# Altium PCB ZJUD_MainBoard-V2.1.PcbDoc
Units mm, origin at the board's own origin, x right, y up, seen from the top; angles counter-clockwise.
Board outline 100 x 105 mm, 2 copper layers (Top Layer, Bottom Layer), stack 1.671 mm thick; 53 components, 81 nets, 348 pads, 217 vias.
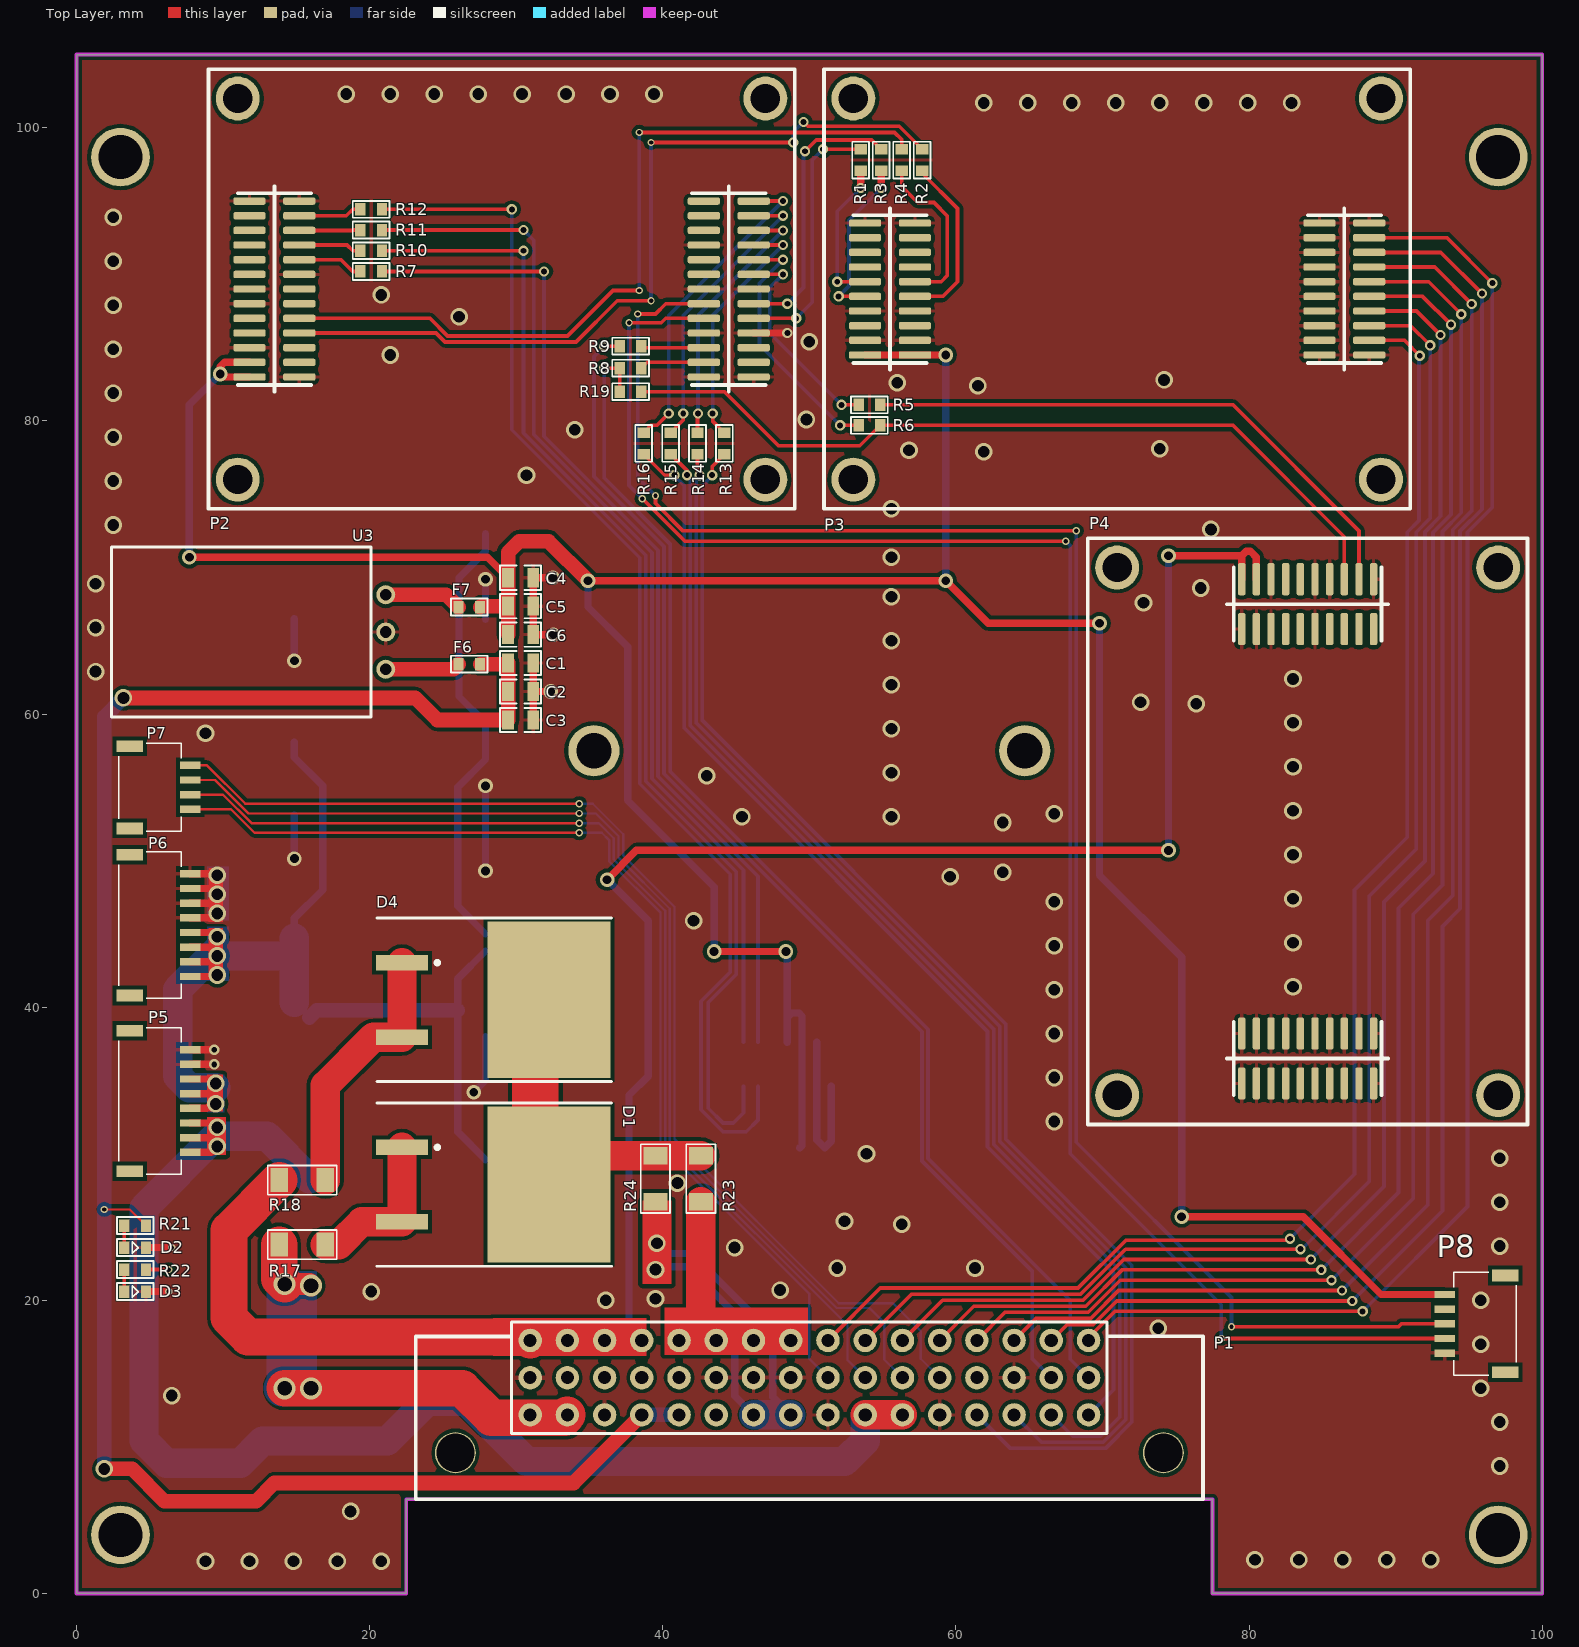
[diagram p0: Top Layer view]
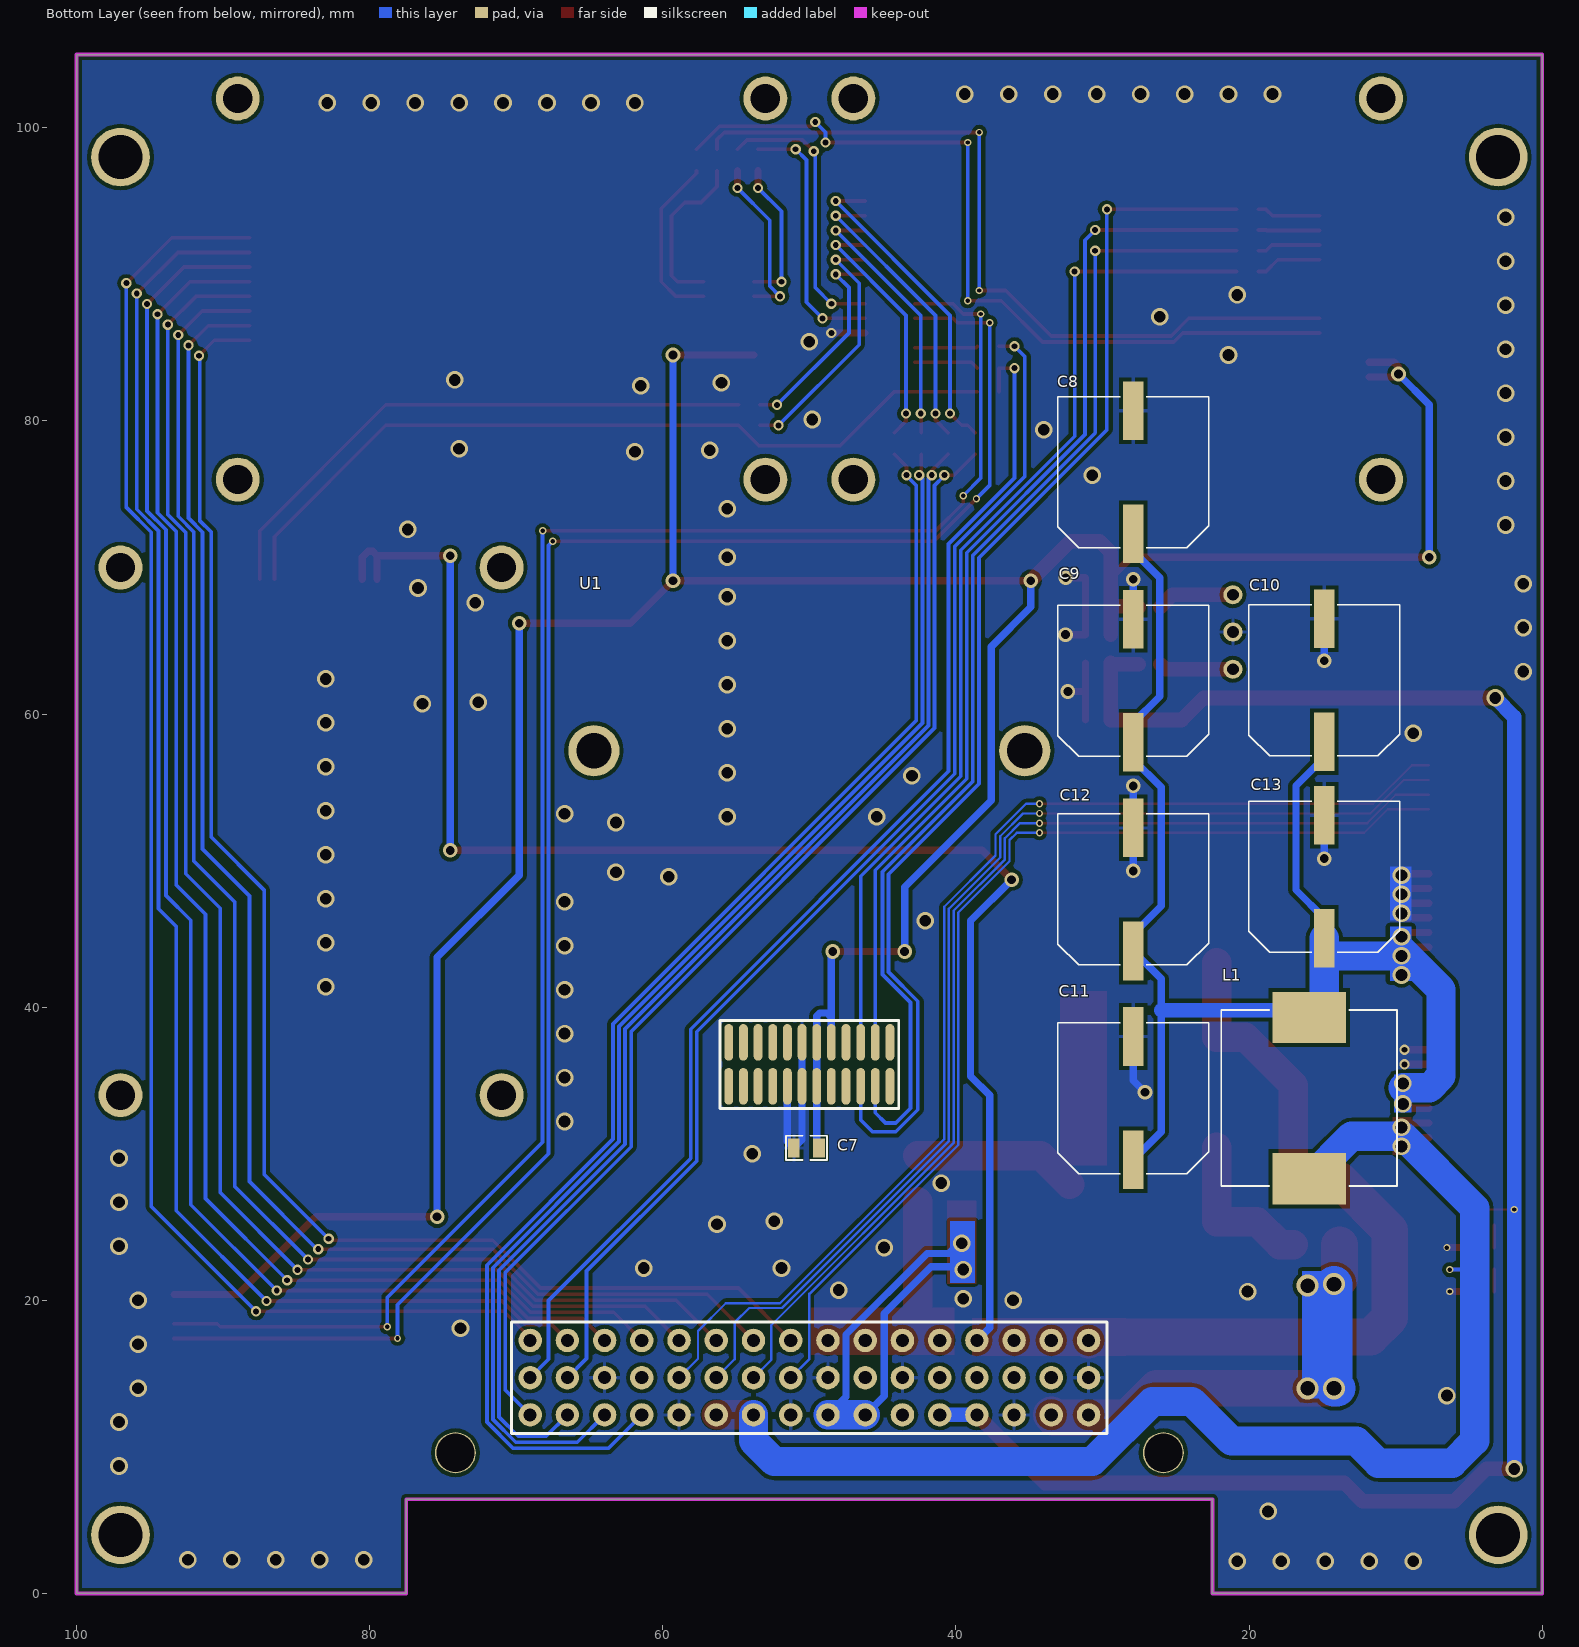
[diagram p1: Bottom Layer view, seen from below]
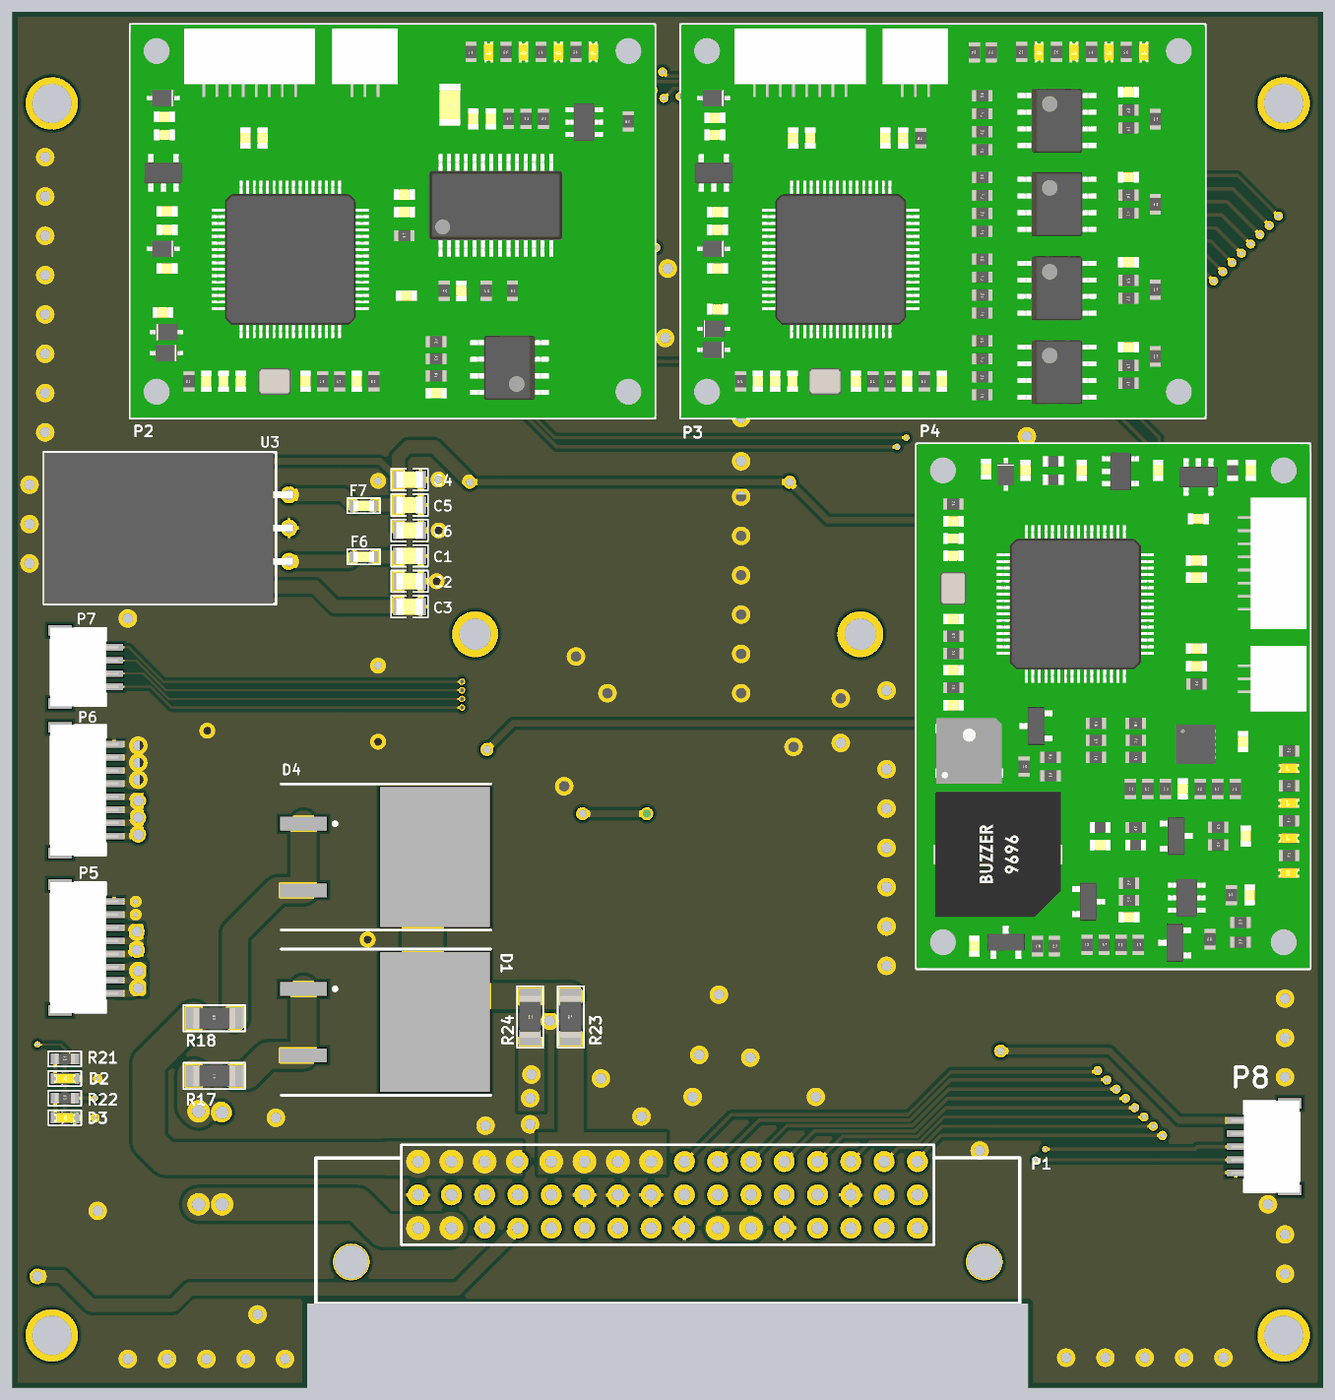
[diagram p2: 3D render of the assembled board from above, using the file's embedded part models]
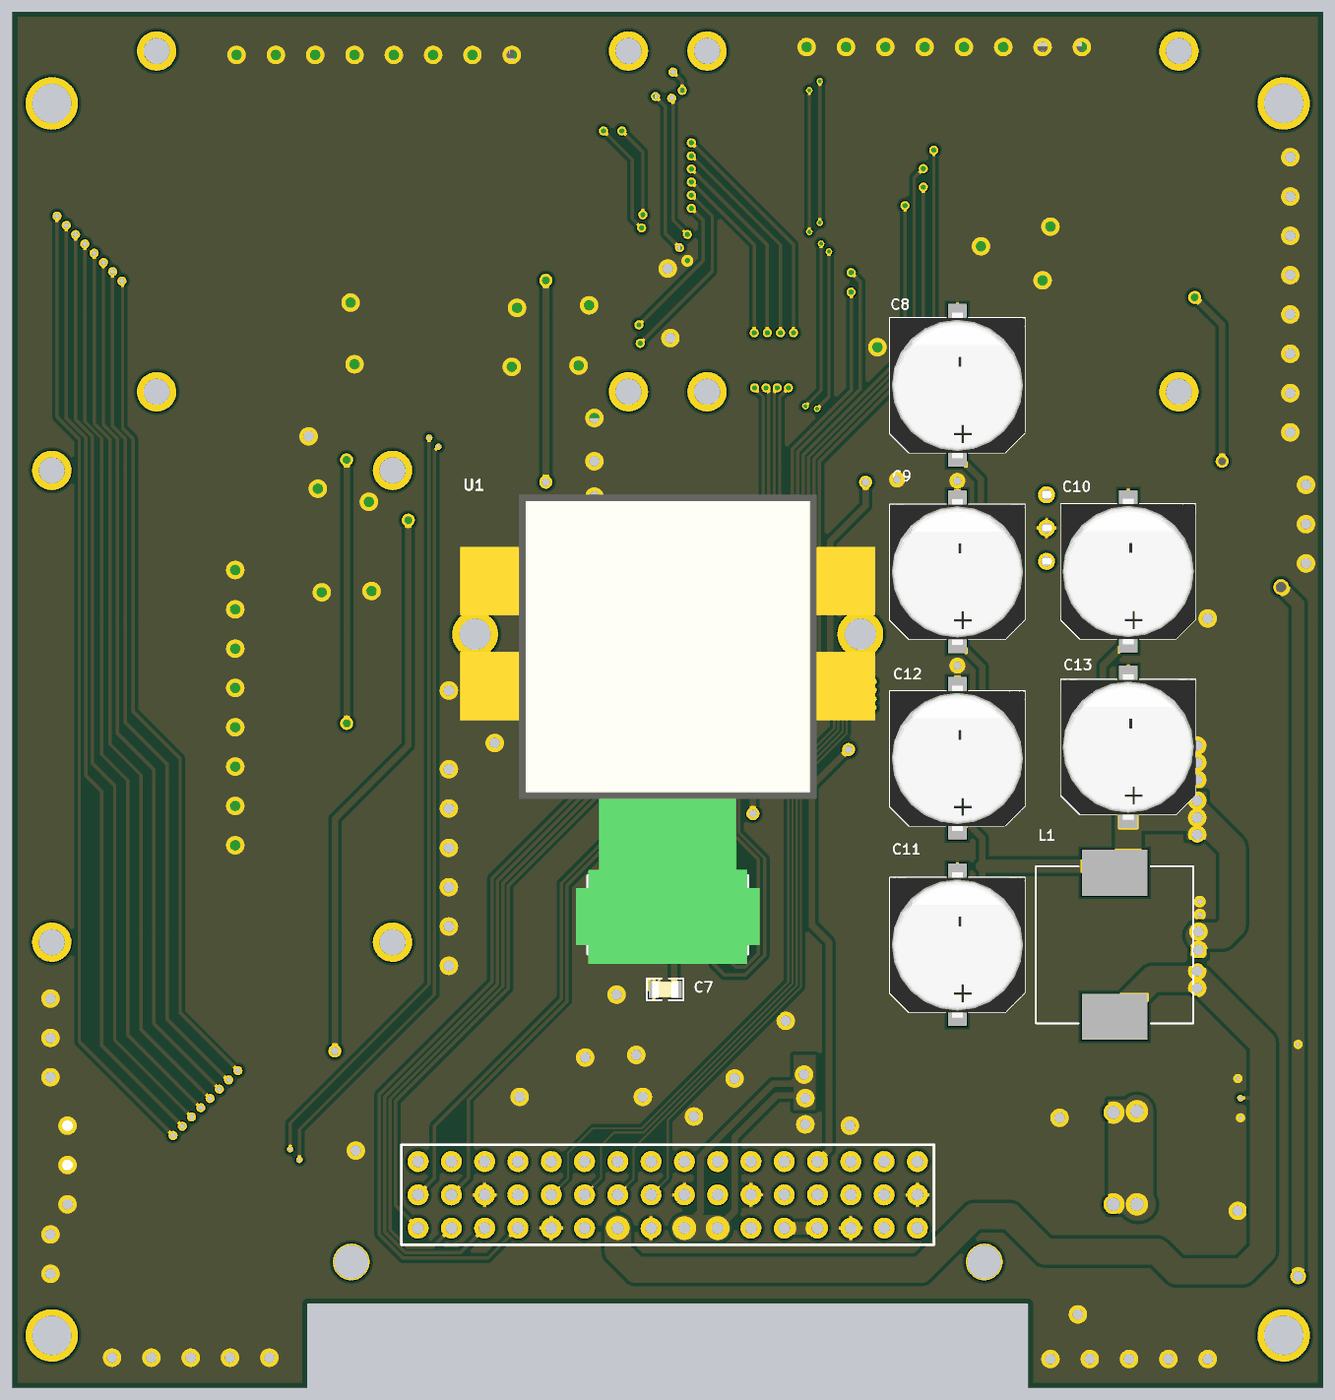
[diagram p3: 3D render of the assembled board from below, using the file's embedded part models]

## Layer stack, top to bottom
Top Solder: solder mask 0.0102, Solder Resist, Dk 3.5
Top Layer: signal copper 0.0356
Dielectric1: core 1.6, FR-4, Dk 4.8
Bottom Layer: signal copper 0.0356
Bottom Solder: solder mask 0.0102, Solder Resist, Dk 3.5

## Board outline
0,0 0,105 100,105 100,0 77.5,0 77.5,6.425 22.5,6.425 22.5,0

## Design rules (kind name [scope] priority, off if disabled: settings)
Clearance Clearance_1 [INPOLYGON] p1: gap=0.254
Clearance [All] p2: gap=0.16
HoleSize [All] p1: absolutevalues=TRUE maxlimit=6 minlimit=0.025 maxpercent=80.000 minpercent=20.000
MinimumSolderMaskSliver [All] p1: minsoldermaskwidth=0.01
PolygonConnect PolygonConnect_1 [ISVIA] p1: connectstyle=Direct reliefconductorwidth=0.254 reliefentries=4 polygonreliefangle="90 Angle" airgapwidth=0.254
PolygonConnect [All] p2: connectstyle=Relief reliefconductorwidth=0.254 reliefentries=4 polygonreliefangle="90 Angle" airgapwidth=0.254
RoutingVias [All] p1: holewidth=0.3 width=0.5 viastyle="Through Hole" minholewidth=0.3 minwidth=0.5 maxholewidth=5 maxwidth=6
SilkToSilkClearance [All] p1: silktosilkclearance=0.01
SilkToSolderMaskClearance [IsPad] p1: minsilkscreentomaskgap=0.01 clearancetoexposedcopper=TRUE
SolderMaskExpansion [All] p1: expansion=0.102
UnpouredPolygon [All] p1: allowunpoured=FALSE
Width [All] p1: maxlimit=3 minlimit=0.16 preferedwidth=0.254
25 further rules are at their usual default settings.

## Components (designator, comment, footprint, x,y, rotation, side; value= is the part's Value field where it differs from the comment)
C1 "0805" 0805C 30.3,63.48 r180 top
C2 "0805" 0805C 30.3,61.54 r180 top
C3 "0805" 0805C 30.3,59.6 r180 top
C4 "0805" 0805C 30.3,69.3 r180 top
C5 "0805" 0805C 30.3,67.36 r180 top
C6 "0805" 0805C 30.3,65.42 r180 top
C7 "0805" 0805C 50.2,30.4 r180 bottom
C8 "Cap_Sanyo_330" CAP_SANYO_330 27.9,76.5 r90 bottom
C9 "Cap_Sanyo_330" CAP_SANYO_330 27.9,62.267 r90 bottom
C10 "Cap_Sanyo_330" CAP_SANYO_330 14.864,62.3 r90 bottom
C11 "Cap_Sanyo_330" CAP_SANYO_330 27.9,33.8 r90 bottom
C12 "Cap_Sanyo_330" CAP_SANYO_330 27.9,48.033 r90 bottom
C13 "Cap_Sanyo_330" CAP_SANYO_330 14.864,48.9 r90 bottom
D1 "30CTQ80-S" D2PAK 28.3,27.9 r270 top
D2 "LED0603" 0603Led 4,23.6 r180 top
D3 "LED0603" 0603Led 4,20.6 r180 top
D4 "30CTQ80-S" D2PAK 28.3,40.5 r270 top
F6 "Fuse_0603" 0603Fuse 26.8,63.4 r0 top
F7 "Fuse_0603" 0603Fuse 26.8,67.3 r0 top
L1 "INDUCTOR_PW" INDUCTOR_PW_1207 15.9,33.8 r90 bottom
P1 "DIN41612_wanzhen_348" DIN41612_wanzhen_348 50,14.725 r0 top locked
P2 "ZJUD_Core_Module" ZJUD_CORE_MODULE 49,74 r90 top locked
P3 "ZJUD_Motor_Module" ZJUD_MOTOR_MODULE 91,74 r90 top locked
P4 "ZJUD_Voltage_Module" ZJUD_VOLTAGE_MODULE 69,32 r0 top locked
P5 "SH_1.0MM_8P" SH_1.0MM_8P 5,33.6 r90 top
P6 "SH_1.0MM_8P" SH_1.0MM_8P 5,45.6 r90 top
P7 "SH_1.0MM_4P" SH_1.0MM_4P 5,55 r90 top
P8 "SH_1.0MM_5P" SH_1.0MM_5P 96.1,18.4 r270 top
R1 "Rb" 0603R 57.7,97.8 r270 top
R2 "Rb" 0603R 53.5,97.8 r270 top
R3 "Rb" 0603R 56.3,97.8 r270 top
R4 "Rb" 0603R 54.9,97.8 r270 top
R5 "Rb" 0603R 54.1,81.1 r0 top
R6 "Rb" 0603R 54.1,79.7 r0 top
R7 "Rb" 0603R 20.1,90.2 r0 top
R8 "Rb" 0603R 37.8,83.6 r180 top
R9 "Rb" 0603R 37.8,85.1 r180 top
R10 "Rb" 0603R 20.1,91.612 r0 top
R11 "Rb" 0603R 20.1,93.024 r0 top
R12 "Rb" 0603R 20.1,94.436 r0 top
R13 "Rb" 0603R 44.2,78.464 r270 top
R14 "Rb" 0603R 42.367,78.464 r270 top
R15 "Rb" 0603R 40.533,78.464 r270 top
R16 "Rb" 0603R 38.7,78.464 r270 top
R17 "Rd" 1206R 15.4,23.8 r180 top
R18 "Rd" 1206R 15.4,28.2 r0 top
R19 "Rb" 0603R 37.8,82 r180 top
R21 "Rb" 0603R 4,25.1 r0 top
R22 "Rb" 0603R 4,22.1 r0 top
R23 "Rd" 1206R 42.6,28.3 r90 top
R24 "Rd" 1206R 39.5,28.3 r270 top
U1 "ADIS16355" ADIS16355 50,34.1 r180 bottom
U3 "K7805-1500" K78X6-1500(L) 21.1,65.6 r0 top

## Footprints (in the part's own frame and the unit in brackets; to place one, negate y for a bottom-side part, rotate by r counter-clockwise, add the part's x,y. Pads: shape width x height; smd on the part's side, far side on the other; paste and mask are expansions set on the pad)
0603Fuse [mm] "0603贴片保险丝"
  rect 0.7x0.85 smd: 1(-0.736,0) 2(0.736,0)
  silkscreen extent -1.25,-0.58 1.25,0.58, body extent -0.8,-0.4 0.8,0.4, height 0.73
0603Led [mm] "0603贴片LED"
  rect 0.7x0.85 smd: 1(-0.736,0) 2(0.736,0)
  silkscreen extent -1.25,-0.57 1.25,0.58, body extent -0.81,-0.4 0.81,0.4, height 0.62
0603R [mm] "0603贴片电阻"
  rect 0.7x0.85 smd: 1(-0.736,0) 2(0.736,0)
  silkscreen extent -1.25,-0.58 1.25,0.58, body extent -0.78,-0.43 0.78,0.43, height 0.48
0805C [mm] "0805贴片电容"
  rect 0.8x1.3 smd: 1(-0.856,0) 2(0.855,0)
  silkscreen extent -1.4,-0.82 1.4,0.82, body extent -1,-0.62 1,0.62, height 1.23
1206R [mm] "1206贴片电阻"
  rect 1.2x1.65 smd: 1(-1.575,0) 2(1.575,0)
  silkscreen extent -2.35,-1 2.35,1, body extent -1.6,-0.8 1.6,0.8, height 0.52
ADIS16355 [mm]
  round 3.5 hole 2.4: 0(-14.7,23.4) 0(14.7,23.4)
  oval 0.6x2.5 smd: 1(5.5,0.5) 2(5.5,3.5) 3(4.5,0.5) 4(4.5,3.5) 5(3.5,0.5) 6(3.5,3.5) 7(2.5,0.5) 8(2.5,3.5) 9(1.5,0.5) 10(1.5,3.5) 11(0.5,0.5) 12(0.5,3.5) 13(-0.5,0.5) 14(-0.5,3.5) 15(-1.5,0.5) 16(-1.5,3.5) 17(-2.5,0.5) 18(-2.5,3.5) 19(-3.5,0.5) 20(-3.5,3.5) 21(-4.5,0.5) 22(-4.5,3.5) 23(-5.5,0.5) 24(-5.5,3.5)
  silkscreen extent -6.1,-1 6.1,5, body extent -15.85,-1.74 15.85,34.05, height 23.27
CAP_SANYO_330 [mm] "贴片电解电容"
  rect 4x1.4 smd: 1(-4.2,0) 2(4.2,0)
  silkscreen extent -5.15,-5.15 5.15,5.15, body extent -5.56,-5.15 5.54,5.15, height 10.13
D2PAK [mil]
  rect 41.34x140 smd: 1(-100,-240) 3(100,-240)
  rect 420x330 smd: 2(0,155)
  silkscreen extent -219,-307 219,323
DIN41612_wanzhen_348 [mm] "DIN41612连接器弯针2*24"
  round 2.8 hole 2.6: 0(-24.15,-5.125) 0(24.15,-5.125)
  round 1.6 hole 0.9: 1(-19.05,2.54) 2(-16.51,2.54) 3(-13.97,2.54) 4(-11.43,2.54) 5(-8.89,2.54) 6(-6.35,2.54) 7(-3.81,2.54) 8(-1.27,2.54) 9(1.27,2.54) 10(3.81,2.54) 11(6.35,2.54) 12(8.89,2.54) 13(11.43,2.54) 14(13.97,2.54) 15(16.51,2.54) 16(19.05,2.54) 17(-19.05,0) 18(-16.51,0) 19(-13.97,0) 20(-11.43,0) 21(-8.89,0) 22(-6.35,0) 23(-3.81,0) 24(-1.27,0) 25(1.27,0) 26(3.81,0) 27(6.35,0) 28(8.89,0) 29(11.43,0) 30(13.97,0) 31(16.51,0) 32(19.05,0) 33(-19.05,-2.54) 34(-16.51,-2.54) 35(-13.97,-2.54) 36(-11.43,-2.54) 37(-8.89,-2.54) 38(-6.35,-2.54) 39(-3.81,-2.54) 40(-1.27,-2.54) 41(1.27,-2.54) 42(3.81,-2.54) 43(6.35,-2.54) 44(8.89,-2.54) 45(11.43,-2.54) 46(13.97,-2.54) 47(16.51,-2.54) 48(19.05,-2.54)
  silkscreen extent -26.85,-8.3 26.85,3.81, body extent -26.85,-15.22 26.85,2.8, height 9.42
INDUCTOR_PW_1207 [mm]
  rect 3.5x5 smd: 1(-5.5,0) 2(5.5,0)
  silkscreen extent -6,-6 6,6, body extent -6,-6 6,6, height 7.52
K78X6-1500(L) [mm]
  round 1.3 hole 0.8: 1(0,-2.54) 2(0,0) 3(0,2.54)
  silkscreen extent -18.7,-5.8 -1,5.8, body extent -18.7,-5.75 0.3,5.75, height 9.02
SH_1.0MM_4P [mm]
  rect 0.8x1.8 smd: 0(-2.8,1.375) 0(2.8,1.375)
  rect 0.5x1.4 smd: 1(-1.5,-2.75) 2(-0.5,-2.75) 3(0.5,-2.75) 4(1.5,-2.75)
  silkscreen extent -3,-2.15 3,2.12, body extent -3,-3.09 3,2.12, height 3.02
SH_1.0MM_5P [mm]
  rect 0.8x1.8 smd: 0(-3.3,1.375) 0(3.3,1.375)
  rect 0.5x1.4 smd: 1(-2,-2.75) 2(-1,-2.75) 3(0,-2.75) 4(1,-2.75) 5(2,-2.75)
  silkscreen extent -3.5,-2.15 3.5,2.12, body extent -3.5,-3.09 3.5,2.13, height 3.02
SH_1.0MM_8P [mm]
  rect 0.8x1.8 smd: 0(-4.8,1.375) 0(4.8,1.375)
  rect 0.5x1.4 smd: 1(-3.5,-2.75) 2(-2.5,-2.75) 3(-1.5,-2.75) 4(-0.5,-2.75) 5(0.5,-2.75) 6(1.5,-2.75) 7(2.5,-2.75) 8(3.5,-2.75)
  silkscreen extent -5,-2.15 5,2.12, body extent -5,-3.1 5,2.12, height 3.02
ZJUD_CORE_MODULE [mm]
  round 3 hole 2: 0(2,38) 0(2,2) 0(28,2) 0(28,38)
  rrect50% 0.5x2.2 smd: 1(9,37.2) 2(9,33.8) 3(10,37.2) 4(10,33.8) 5(11,37.2) 6(11,33.8) 7(12,37.2) 8(12,33.8) 9(13,37.2) 10(13,33.8) 11(14,37.2) 12(14,33.8) 13(15,37.2) 14(15,33.8) 15(16,37.2) 16(16,33.8) 17(17,37.2) 18(17,33.8) 19(18,37.2) 20(18,33.8) 21(19,37.2) 22(19,33.8) 23(20,37.2) 24(20,33.8) 25(21,37.2) 26(21,33.8) 31(9,6.2) 32(9,2.8) 33(10,6.2) 34(10,2.8) 35(11,6.2) 36(11,2.8) 37(12,6.2) 38(12,2.8) 39(13,6.2) 40(13,2.8) 41(14,6.2) 42(14,2.8) 43(15,6.2) 44(15,2.8) 45(16,6.2) 46(16,2.8) 47(17,6.2) 48(17,2.8) 49(18,6.2) 50(18,2.8) 51(19,6.2) 52(19,2.8) 53(20,6.2) 54(20,2.8) 55(21,6.2) 56(21,2.8)
  silkscreen extent 0,0 30,40, body extent 0,0 30,40, height 8.62
ZJUD_MOTOR_MODULE [mm]
  round 3 hole 2: 0(2,38) 0(2,2) 0(28,2) 0(28,38)
  rrect50% 0.5x2.2 smd: 1(10.5,37.2) 2(10.5,33.8) 3(11.5,37.2) 4(11.5,33.8) 5(12.5,37.2) 6(12.5,33.8) 7(13.5,37.2) 8(13.5,33.8) 9(14.5,37.2) 10(14.5,33.8) 11(15.5,37.2) 12(15.5,33.8) 13(16.5,37.2) 14(16.5,33.8) 15(17.5,37.2) 16(17.5,33.8) 17(18.5,37.2) 18(18.5,33.8) 19(19.5,37.2) 20(19.5,33.8) 21(10.5,6.2) 22(10.5,2.8) 23(11.5,6.2) 24(11.5,2.8) 25(12.5,6.2) 26(12.5,2.8) 27(13.5,6.2) 28(13.5,2.8) 29(14.5,6.2) 30(14.5,2.8) 31(15.5,6.2) 32(15.5,2.8) 33(16.5,6.2) 34(16.5,2.8) 35(17.5,6.2) 36(17.5,2.8) 37(18.5,6.2) 38(18.5,2.8) 39(19.5,6.2) 40(19.5,2.8)
  silkscreen extent 0,0 30,40, body extent 0,0 30,40, height 8.62
ZJUD_VOLTAGE_MODULE [mm]
  round 3 hole 2: 0(2,2) 0(2,38) 0(28,2) 0(28,38)
  rrect50% 0.5x2.2 smd: 1(10.5,37.2) 2(10.5,33.8) 3(11.5,37.2) 4(11.5,33.8) 5(12.5,37.2) 6(12.5,33.8) 7(13.5,37.2) 8(13.5,33.8) 9(14.5,37.2) 10(14.5,33.8) 11(15.5,37.2) 12(15.5,33.8) 13(16.5,37.2) 14(16.5,33.8) 15(17.5,37.2) 16(17.5,33.8) 17(18.5,37.2) 18(18.5,33.8) 19(19.5,37.2) 20(19.5,33.8) 21(10.5,6.2) 22(10.5,2.8) 23(11.5,6.2) 24(11.5,2.8) 25(12.5,6.2) 26(12.5,2.8) 27(13.5,6.2) 28(13.5,2.8) 29(14.5,6.2) 30(14.5,2.8) 31(15.5,6.2) 32(15.5,2.8) 33(16.5,6.2) 34(16.5,2.8) 35(17.5,6.2) 36(17.5,2.8) 37(18.5,6.2) 38(18.5,2.8) 39(19.5,6.2) 40(19.5,2.8)
  silkscreen extent 0,0 30,40, body extent 0,0 30,40, height 11.12

## Part data
C1 C2 C3 C4 C5 C6 C7: library part Cap0805
D1 D4: library part MBR1035CT
R1 R2 R3 R4 R5 R6 R7 R8 R9 R10 R11 R12 R13 R14 R15 R16 R19 R21 R22: library part Res0603
R17 R18 R23 R24: library part Res1206

## Free pads (board coordinates)
  round 4 hole 3: 0(3,4) 0(3,98) 0(97,4) 0(97,98)

## Via types
v1: diameter 1.2, hole 0.8, Top Layer to Bottom Layer, 121 vias
v2: diameter 0.7, hole 0.4, Top Layer to Bottom Layer, 51 vias
v3: diameter 1, hole 0.6, Top Layer to Bottom Layer, 21 vias
v4: diameter 0.5, hole 0.3, Top Layer to Bottom Layer, 20 vias
v5: diameter 1.5, hole 1, Top Layer to Bottom Layer, 4 vias

## Nets (pads, with @x,y where several pads share a name; then routed paths per layer and width w, separated by ;. In a path a pad name is that pad's centre, name@x,y a point inside that pad or via, vN(x,y) a via of type N, cw(c..) or ccw(c..) an arc to the next point about the centre after c; other vN are vias at no path point)
485_1_A: P1.9 P3.24 | length 102.2
  Top Layer w0.254: P1.9 54.841,20.836 68.336,20.836 71.6,24.1 82.7,24.1 v2(82.8,24.2) ; P3.24 90.6,85.5 v2(91.65,84.45)
  Bottom Layer w0.254: v2(82.8,24.2) 87.2,28.6 87.2,48 90.8,51.6 90.8,72.398 91.602,73.2 91.602,84.402 v2(91.65,84.45)
485_1_B: P1.10 P3.26 | length 102.4
  Top Layer w0.254: P1.10 56.967,20.422 68.507,20.422 71.578,23.493 v2(83.507,23.493) ; P3.26 91.014,86.5 v2(92.357,85.157)
  Bottom Layer w0.254: v2(83.507,23.493) 83.593,23.493 88.2,28.1 88.2,47.586 91.4,50.786 91.4,72.413 92.357,73.37 v2(92.357,85.157)
485_2_A: P1.11 P3.28 | length 102.4
  Top Layer w0.254: P1.11 59.093,20.008 68.679,20.008 71.457,22.786 v2(84.214,22.786) ; P3.28 91.428,87.5 v2(93.064,85.864)
  Bottom Layer w0.254: v2(84.214,22.786) 89.2,27.772 89.2,47.172 92,49.972 92,72.427 93.064,73.492 v2(93.064,85.864)
485_2_B: P1.12 P3.30 | length 102.6
  Top Layer w0.254: P1.12 61.219,19.594 68.85,19.594 71.335,22.079 v2(84.921,22.079) ; P3.30 91.843,88.5 v2(93.771,86.571)
  Bottom Layer w0.254: v2(84.921,22.079) 90.2,27.357 90.2,46.757 92.544,49.101 92.544,72.386 93.771,73.613 v2(93.771,86.571)
485_3_A: P1.13 P3.32 | length 102.7
  Top Layer w0.254: P1.13 63.345,19.18 69.022,19.18 71.213,21.372 v2(85.628,21.372) ; P3.32 92.257,89.5 v2(94.478,87.278)
  Bottom Layer w0.254: v2(85.628,21.372) 91.2,26.943 91.2,46.343 93.2,48.343 93.2,72.456 94.478,73.735 v2(94.478,87.278)
485_3_B: P1.14 P3.34 | length 102.8
  Top Layer w0.254: P1.14 65.471,18.766 69.193,18.766 71.092,20.664 v2(86.336,20.664) ; P3.34 92.671,90.5 v2(95.186,87.986)
  Bottom Layer w0.254: v2(86.336,20.664) 92.2,26.529 92.2,45.929 93.9,47.629 93.9,72.571 95.186,73.857 v2(95.186,87.986)
485_4_A: P1.15 P3.36 | length 102.9
  Top Layer w0.254: P1.15 67.597,18.352 69.365,18.352 70.97,19.957 v2(87.043,19.957) ; P3.36 93.085,91.5 v2(95.893,88.693)
  Bottom Layer w0.254: v2(87.043,19.957) 93.2,26.115 93.2,45.515 94.4,46.715 94.4,72.485 95.893,73.978 v2(95.893,88.693)
485_4_B: P1.16 P3.38 | length 103.1
  Top Layer w0.254: P1.16 69.05,17.452 70.849,19.25 v2(87.75,19.25) ; P3.38 93.5,92.5 v2(96.6,89.4)
  Bottom Layer w0.254: v2(87.75,19.25) 94.9,26.4 94.9,72.4 96.6,74.1 v2(96.6,89.4)
+5V: C4.2 C5.2 C6.2 C7.2 F7.2 P2.1 P2.3 P3.1 P3.2 P8.1 U1.10 U1.11 U1.12 | length 225.3
  Top Layer w0.5: v3(7.7,70.7) 28.045,70.7 C4.2 ; P2.1 10,83 v3(9.8,83.2) 9.8,83.7 10.1,84 P2.3 ; v3(34.9,69.1) v3(59.3,69.1) 62.2,66.2 v3(69.8,66.2) ; v3(43.5,43.8) v3(48.4,43.8) ; P3.1 P3.2 v3(59.3,84.5) ; v3(75.4,25.7) 83.7,25.7 89,20.4 P8.1
  Top Layer w1: F7.2 27.596,67.36 C5.2 ; C6.2 C5.2 ; v3(34.9,69.1) 32.2,71.8 30.2,71.8 29.445,71.045 C4.2 C5.2
  Bottom Layer w0.5: v3(7.7,70.7) 7.7,81.1 v3(9.8,83.2) ; v3(34.9,69.1) 34.9,67.3 37.6,64.6 37.6,54.1 43.5,48.2 v3(43.5,43.8) ; v3(48.4,43.8) 48.5,43.9 48.5,39.3 ; U1.10 48.5,39.3 ; C7.2 49.5,30.555 U1.11 U1.12 49.5,39.4 49.3,39.6 48.8,39.6 48.5,39.3 ; v3(59.3,69.1) v3(59.3,84.5) ; v3(69.8,66.2) 69.8,49 75.4,43.4 v3(75.4,25.7)
ADIS_SPI2_CS: R7.2 U1.6 | length 69.7
  Top Layer w0.254: R7.2 v2(31.9,90.2)
  Bottom Layer w0.254: v2(31.9,90.2) 31.9,78.956 39.672,71.184 39.672,55.757 46.5,48.929 U1.6
ADIS_SPI2_MISO: R11.2 U1.4 | length 71.3
  Top Layer w0.254: R11.2 v2(30.5,93.024)
  Bottom Layer w0.254: v2(30.5,93.024) 31.2,92.324 31.2,79.071 39.258,71.013 39.258,55.586 45.5,49.344 U1.4
ADIS_SPI2_MOSI: R12.2 U1.5 | length 84.5
  Top Layer w0.254: R12.2 v2(29.7,94.436)
  Bottom Layer w0.254: v2(29.7,94.436) 29.7,79.4 38.43,70.67 38.43,55.243 44.6,49.073 44.6,42.4 42.6,40.4 42.6,33 44.1,31.5 45.7,31.5 46.5,32.3 U1.5
ADIS_SPI2_SCK: R10.2 U1.3 | length 79.9
  Top Layer w0.254: R10.2 v2(30.5,91.612)
  Bottom Layer w0.254: v2(30.5,91.612) 30.5,79.185 38.844,70.841 38.844,55.414 45.014,49.244 45.014,42.229 43.1,40.315 43.1,33.1 44.1,32.1 44.8,32.1 45.5,32.8 U1.3
BACK_MODULE_RX: P1.32 R8.2 R19.2 | length 85.2
  Top Layer w0.254: v2(36,83.6) R8.2 R19.2
  Bottom Layer w0.254: v2(36,83.6) 36,76.1 40.5,71.6 40.5,56.1 58.1,38.5 58.1,29.685 67.8,19.985 67.8,15.975 P1.32
BACK_MODULE_TX: P1.31 R9.2 | length 84.7
  Top Layer w0.254: v2(36,85.1) R9.2
  Bottom Layer w0.254: v2(36,85.1) 35.3,84.4 35.3,76.215 40.086,71.429 40.086,55.929 57.686,38.329 57.686,29.514 65.2,22 65.2,16.035 P1.31
BUTTON_UP+: P1.27 P7.3 | length 77.1
  Top Layer w0.16: P7.3 9.447,55.5 11.727,53.22 v4(34.3,53.22)
  Bottom Layer w0.16: v4(34.3,53.22) 35.425,53.22 36.98,51.665 36.98,50.22 40.48,46.72 40.48,30.867 51.867,19.48 54.1,19.48 55.1,18.48 55.1,15.975 P1.27
BUTTON_UP-: P1.28 P7.4 | length 79.7
  Top Layer w0.16: P7.4 8.9,56.5 11.52,53.88 v4(34.3,53.88)
  Bottom Layer w0.16: v4(34.3,53.88) 35.218,53.88 37.3,51.798 37.3,50.353 40.8,46.853 40.8,31 52,19.8 55.7,19.8 57.6,17.9 57.6,16.015 P1.28
CON_BAT_MEA_MOD1: P4.14
CON_BAT_MEA_MOD2: P4.16
DGND: C1.1 C2.1 C3.1 C4.1 C5.1 C6.1 C7.1 C8.2 C9.2 C10.2 C11.2 C12.2 C13.2 D2.1 D3.1 P1.17 P1.22 P1.23 P1.24 P1.30 P1.35 P1.41 P1.44 P2.2 P2.5 P2.11 P2.13 P2.16 P2.25 P2.26 P2.31 P2.32 P2.37 P2.38 P2.43 P2.44 P2.49 P3.3 P3.4 P3.7 P3.8 P3.19 P3.20 P3.21 P3.22 P3.23 P3.25 P3.27 P3.29 P3.31 P3.33 P3.35 P3.37 P3.39 P3.40 P4.2 P4.4 P4.5 P4.6 P4.11 P4.12 P4.13 P4.19 P4.21 P4.22 P4.23 P4.24 P4.25 P4.26 P4.27 P4.28 P4.29 P4.30 P4.31 P4.32 P4.33 P4.34 P4.35 P4.36 P4.37 P4.38 P4.39 P4.40 P5.7 P5.8 P6.5 P6.6 P6.7 P6.8 P8.5 U1.13 U1.14 U1.15 U3.2 | length 58
  Top Layer w0.5: D3.1 v4(6.3,20.6) ; D2.1 v4(6.5,23.6) ; P5.7 v2(9.4,36.1) ; P5.8 v2(9.4,37.1) ; P6.5 v1@9.3,46.1 ; P6.6 9.6,47.1 ; P6.7 v1@9.5,48.1 ; P6.8 v1@9.7,49.1 ; C3.1 C2.1 ; C1.1 C2.1 ; v3(32.36,61.54) C2.1 ; v3(32.5,69.3) C4.1 C5.1 C6.1 v3(32.52,65.42) ; P2.38 v2(48.5,86)
  Bottom Layer w0.5: v3(14.864,50.136) C13.2 ; v3(14.864,63.636) C10.2 ; v3(27.1,34.2) 27.9,35 C11.2 ; v3(27.9,49.3) C12.2 v3(27.9,55.1) ; C9.2 v3(27.9,69.2) ; U1.14 U1.13 50.5,30.956 C7.1 51.5,30.844 U1.15
  other v1: 8.8,2.2 11.8,2.2 14.8,2.2 17.8,2.2 20.8,2.2 80.4,2.3 83.4,2.3 86.4,2.3 89.4,2.3 92.4,2.3 18.7,5.6 97.1,8.7 97.1,11.7 6.5,13.5 95.8,14 95.8,17 73.8,18.1 36.1,20 95.8,20 39.5,20.1 20.1,20.6 48,20.7 51.9,22.2 61.3,22.2 44.9,23.6 97.1,23.7 56.3,25.2 52.4,25.4 97.1,26.7 41,28 97.1,29.7 53.9,30 66.7,32.2 66.7,35.2 66.7,38.2 66.7,41.2 83,41.4 66.7,44.2 83,44.4 42.1,45.9 9.6,46.4 66.7,47.2 83,47.4 9.6,47.7 59.6,48.9 9.6,49 63.2,49.2 83,50.4 63.2,52.6 45.4,53 55.6,53 66.7,53.2 83,53.4 43,55.8 55.6,56 83,56.4 8.8,58.7 55.6,59 83,59.4 76.4,60.7 72.6,60.8 55.6,62 83,62.4 1.3,62.9 55.6,65 1.3,65.9 72.8,67.6 55.6,68 76.7,68.6 1.3,68.9 55.6,70.7 77.4,72.6 2.5,72.9 55.6,74 2.5,75.9 30.7,76.3 61.9,77.9 56.8,78 73.9,78.1 2.5,78.9 34,79.4 49.8,80.1 2.5,81.9 61.5,82.4 56,82.6 74.2,82.8 21.4,84.5 2.5,84.9 50,85.4 26.1,87.1 2.5,87.9 20.8,88.6 2.5,90.9 2.5,93.9 61.9,101.7 64.9,101.7 67.9,101.7 70.9,101.7 73.9,101.7 76.9,101.7 79.9,101.7 82.9,101.7 18.4,102.3 21.4,102.3 24.4,102.3 27.4,102.3 30.4,102.3 33.4,102.3 36.4,102.3 39.4,102.3
I2C1_SCL: P2.4
I2C1_SDA: P2.6
LED_UP+: P1.25 P7.1 | length 72.3
  Top Layer w0.16: P7.1 10.542,53.5 12.142,51.9 v4(34.3,51.9)
  Bottom Layer w0.16: v4(34.3,51.9) 35.84,51.9 36.34,51.4 36.34,49.955 39.84,46.455 39.84,30.602 50,20.442 50,15.995 P1.25
LED_UP-: P1.26 P7.2 | length 74.1
  Top Layer w0.16: P7.2 9.995,54.5 11.935,52.56 v4(34.3,52.56)
  Bottom Layer w0.16: v4(34.3,52.56) 35.633,52.56 36.66,51.533 36.66,50.087 40.16,46.587 40.16,30.735 52.6,18.295 52.6,15.935 P1.26
MOTOR_MODULE_CON1: P3.10 R1.2 | length 11.9
  Top Layer w0.254: P3.10 59.1,88.5 60.1,89.5 60.1,94.5 57.7,96.9 R1.2
MOTOR_MODULE_CON2: P3.12 R3.2 | length 11.5
  Top Layer w0.254: R3.2 56.3,96 57.4,94.9 58.5,94.9 59.4,94 59.4,89.9 59,89.5 P3.12
MOTOR_MODULE_RX: P3.11 R2.2 | length 10.1
  Top Layer w0.254: v2(51.9,89.5) P3.11
  Top Layer w0.5: v2(53.5,95.9) R2.2
  Bottom Layer w0.254: v2(51.9,89.5) 51.9,94.3 v2(53.5,95.9)
MOTOR_MODULE_TX: P3.9 R4.2 | length 11.6
  Top Layer w0.254: v2(52,88.5) P3.9
  Top Layer w0.5: v2(54.9,95.9) R4.2
  Bottom Layer w0.254: v2(52,88.5) 52.7,89.2 52.7,93.7 v2(54.9,95.9)
NetD1_1: D1.1 D1.3 R17.1 | length 11
  Top Layer w2: R17.1 17.9,23.8 19.46,25.36 D1.3 D1.1
NetD1_2: D1.2 D4.2 R23.2 R24.1 | length 11.2
  Top Layer w2: D1.2 34.212,29.875 R24.1 R23.2
NetD2_2: D2.2 R21.1 | length 1.5
  Top Layer w0.254: D2.2 R21.1
NetD3_2: D3.2 R22.1 | length 1.5
  Top Layer w0.254: D3.2 R22.1
NetD4_1: D4.1 D4.3 R18.2 | length 18.1
  Top Layer w2: R18.2 16.975,34.675 20.26,37.96 D4.3 D4.1
NetF6_1: F6.1 U3.1 | length 5.1
  Top Layer w1: U3.1 25.724,63.06 F6.1
NetF7_1: F7.1 U3.3 | length 5.3
  Top Layer w1: U3.3 25.224,68.14 F7.1
PA8: P2.8 R1.1 | length 56.5
  Top Layer w0.254: P2.8 24.529,86 25.143,85.386 34.086,85.386 36.9,88.2 v4(39.2,88.2) ; v4(39.2,99) v2(48.9,99) ; v2(49.6,100.4) 49.9,100.1 56.136,100.1 R1.1
  Bottom Layer w0.254: v4(39.2,88.2) v4(39.2,99) ; v2(48.9,99) 48.9,99.7 v2(49.6,100.4)
PA10: P2.14
PB8: P2.10 R3.1 | length 54.5
  Top Layer w0.254: P2.10 24.114,87 25.314,85.8 33.5,85.8 36.6,88.9 v4(38.4,88.9) ; v4(38.4,99.686) 55.814,99.686 56.3,99.2 R3.1
  Bottom Layer w0.254: v4(38.4,88.9) v4(38.4,99.686)
PB9: P2.12
PC2: P2.15
SPI1_CS: P2.17
SPI1_MISO: P2.21
SPI1_MOSI: P2.23
SPI1_SCK: P2.19
SPI2_CS: P2.18 R7.1 | length 4.5
  Top Layer w0.254: P2.18 18.039,91 18.839,90.2 R7.1
SPI2_MISO: P2.22 R11.1 | length 4.2
  Top Layer w0.254: P2.22 18.815,93 18.839,93.024 R11.1
SPI2_MOSI: P2.24 R12.1 | length 4.3
  Top Layer w0.254: P2.24 18.403,94 18.839,94.436 R12.1
SPI2_SCK: P2.20 R10.1 | length 4.3
  Top Layer w0.254: P2.20 18.451,92 18.839,91.612 R10.1
UART4_RX: P2.35 R9.1 | length 4.3
  Top Layer w0.254: R9.1 38.636,85 P2.35
UART4_TX: P2.33 R8.1 | length 4.4
  Top Layer w0.254: R8.1 38.936,84 P2.33
UART5_RX: P2.41 P8.3 | length 121
  Top Layer w0.254: v4(38.3,87.3) 39.5,87.3 40.2,88 P2.41 ; v4(39.5,74.9) 39.5,74.385 41.385,72.5 v4(68.2,72.5) ; v4(78.8,18.2) 90.2,18.2 90.4,18.4 P8.3
  Bottom Layer w0.254: v4(38.3,87.3) 38.3,76.1 v4(39.5,74.9) ; v4(68.2,72.5) 68.214,72.486 68.214,30.786 78.8,20.2 v4(78.8,18.2)
UART5_TX: P2.39 P8.4 | length 121.7
  Top Layer w0.254: v4(37.7,86.7) 39.9,86.7 40.2,87 P2.39 ; v4(38.6,74.7) 41.5,71.8 v4(67.5,71.8) ; v4(78.1,17.4) P8.4
  Bottom Layer w0.254: v4(37.7,86.7) 37.7,75.6 v4(38.6,74.7) ; v4(67.5,71.8) 67.8,71.5 67.8,30 78.1,19.7 v4(78.1,17.4)
USART1_RX: P2.34
USART1_TX: P2.36
USART2_RX: P2.42 R4.1 | length 19
  Top Layer w0.254: P2.42 v2(48.5,88) ; v2(49.7,98.4) 50.473,99.173 54.263,99.173 R4.1
  Bottom Layer w0.254: v2(48.5,88) 49.6,89.1 49.6,98.3 v2(49.7,98.4)
USART2_TX: P2.40 R2.1 | length 17.8
  Top Layer w0.254: P2.40 v2(49.1,87) ; v2(50.936,98.536) R2.1
  Bottom Layer w0.254: v2(49.1,87) 50.2,88.1 50.2,97.8 v2(50.936,98.536)
USART3_RX: P2.48 R6.1 | length 17.5
  Top Layer w0.254: P2.48 v2(48.2,91) ; v2(52.1,79.7) R6.1
  Bottom Layer w0.254: v2(48.2,91) 46.6,89.4 46.6,85.2 v2(52.1,79.7)
USART3_TX: P2.46 R5.1 | length 14.5
  Top Layer w0.254: P2.46 v2(48.2,90) ; v2(52.2,81.1) R5.1
  Bottom Layer w0.254: v2(48.2,90) 47.3,89.1 47.3,86 v2(52.2,81.1)
USART6_RX: P2.47
USART6_TX: P2.45
USB2_+5V: P1.45 R13.2 | length 91
  Top Layer w0.254: v2(43.369,76.3) 43.369,76.897 R13.2
  Bottom Layer w0.254: v2(43.369,76.3) 43.369,76.259 42.7,75.59 42.7,59.556 63.4,38.856 63.4,31 72,22.4 72,11.7 70.2,9.9 63.715,9.9 P1.45
USB2_+5V_OUT: P2.50 R13.1 | length 17.1
  Top Layer w0.254: v2(43.4,80.5) 43.4,80 R13.1 ; P2.50 v2(48.2,92)
  Bottom Layer w0.254: v2(43.4,80.5) 43.4,87.2 v2(48.2,92)
USB2_DM: P1.46 R14.2 | length 87.2
  Top Layer w0.254: R14.2 42.367,76.442 v2(42.509,76.3)
  Bottom Layer w0.254: v2(42.509,76.3) 42.286,76.077 42.286,59.385 62.986,38.685 62.986,30.829 71.586,22.229 71.586,11.871 70.029,10.314 65.841,10.314 P1.46
USB2_DM_OUT: P2.52 R14.1 | length 18.2
  Top Layer w0.254: R14.1 42.367,80.467 v2(42.4,80.5) ; P2.52 v2(48.2,93)
  Bottom Layer w0.254: v2(42.4,80.5) 42.4,87.2 v2(48.2,93)
USB2_DP: P1.47 R15.2 | length 84.2
  Top Layer w0.254: R15.2 41.649,76.613 v2(41.649,76.3)
  Bottom Layer w0.254: v2(41.649,76.3) 41.872,76.077 41.872,59.556 41.872,59.213 62.572,38.513 62.572,30.657 71.172,22.057 71.172,12.043 69.857,10.728 67.967,10.728 P1.47
USB2_DP_OUT: P2.54 R15.1 | length 20
  Top Layer w0.254: R15.1 41.4,80.067 v2(41.4,80.5) ; P2.54 v2(48.2,94)
  Bottom Layer w0.254: v2(41.4,80.5) 41.4,87.2 v2(48.2,94)
USB2_GND: P1.48 R16.2 | length 79.9
  Top Layer w0.254: R16.2 40.128,76.3 v2(40.789,76.3)
  Bottom Layer w0.254: v2(40.789,76.3) 40.789,76.259 41.458,75.59 41.458,59.042 62.158,38.342 62.158,30.486 70.758,21.886 70.758,13.893 P1.48
USB2_GND_OUT: P2.56 R16.1 | length 22
  Top Layer w0.254: R16.1 39.2,79.7 39.6,79.7 v2(40.4,80.5) ; P2.56 v2(48.2,95)
  Bottom Layer w0.254: v2(40.4,80.5) 40.4,87.2 v2(48.2,95)
V_PC_AF_SW: L1.1 P1.42 P1.43 P5.1 P5.2 P5.3 R22.2 | length 97.1
  Top Layer w0.254: R22.2 v4(6.3,22.1)
  Top Layer w0.5: P5.1 9.2,30.1 v1(9.6,30.5) ; P5.2 9.3,31.1 ; P5.3 v1@9.4,32.1
  Top Layer w2: P1.42 P1.43
  Bottom Layer w0.254: 4.6,22.1 v4(6.3,22.1)
  Bottom Layer w2: L1.1 13,31.2 9.5,31.2 4.6,26.3 4.6,22.1 4.6,10.427 6.14,8.887 11.176,8.887 12.689,10.4 21.2,10.4 23.9,13.1 26.6,13.1 30.7,9 52.4,9 53.81,10.41 P1.42
  other v1: 9.6,31.8
V_PC_AF_SW_GEN: C8.1 C9.1 C10.1 C11.1 C12.1 C13.1 L1.2 P5.4 P5.5 P5.6 P6.1 P6.2 P6.3 P6.4 | length 106.2
  Top Layer w0.5: P5.4 8.9,33.1 v1@9.4,33.6 ; P5.5 9.3,34.1 ; P5.6 9,35.1 v1@9.4,34.7 ; P6.1 v1@9.3,42.1 ; P6.2 v1@9.6,43.1 ; P6.3 9.5,44.1 ; P6.4 v1@9.7,45.1
  Bottom Layer w0.5: C13.1 14.864,46.064 16.8,48 16.8,55.1 14.864,57.036 C10.1 ; C11.1 26,31.5 26,39.8 26,41.933 C12.1 ; C12.1@27.9,45 26,46.9 26,55 27.9,56.9 C9.1 27.9,59.4 26.1,61.2 26.1,69.3 27.9,71.1 C8.1
  Bottom Layer w1: L1.2 16.4,39.8 26,39.8
  Bottom Layer w2: v1@9.5,34.5 7.7,34.5 6.9,35.3 6.9,41.2 v1@9.6,43.9 ; v1(9.6,43.5) 14.664,43.5 C13.1@14.864,43.3 ; L1.2@14.864,40.336 C13.1@14.864,43.3 ; C13.1 C13.1@14.864,43.3
  other v1: 9.5,33.4 9.5,34.8 9.6,42.2 9.6,44.8
V_PC_BF_SW: P1.39 P1.40 R24.2 | length 33.2
  Bottom Layer w0.5: 39.6,23.1 40,22.7 ; v1@39.7,22.3 41.7,22.3 44.9,19.1 44.9,13.475 P1.39 ; v1@39.9,23.8 40.5,23.2 41.966,23.2 47.5,17.666 47.5,13.415 P1.40
  Bottom Layer w2: P1.39 P1.40
  other v1: 39.5,22.1 39.6,23.9
V_SUB_AF_SW: C1.2 C2.2 C3.2 F6.2 P1.36 P1.37 R21.2 | length 131.7
  Top Layer w0.16: v4(1.9,26.2) 3.636,26.2 R21.2
  Top Layer w1: v1(1.9,8.5) 3.8,8.5 6,6.3 12.26,6.3 13.5,7.54 33.925,7.54 P1.36 ; v1(3.2,61.1) 23.1,61.1 24.6,59.6 C3.2 C2.2 C1.2 29.365,63.4 F6.2
  Bottom Layer w1: v1(1.9,8.5) v4(1.9,26.2) 1.9,59.8 v1(3.2,61.1) ; P1.36 P1.37
V_SUB_BF_SW: P1.5 P1.6 P1.7 P1.8 R23.1 | length 8.7
  Top Layer w2: 42.6,18 R23.1
VBAT_CELL1: P1.21
VBAT_CELL2: P1.20
VBAT_CELL3: P1.19
VBAT_CELL4: P1.18
VBAT_IN: P1.1 P1.2 P1.3 P1.4 P4.1 P4.3 R18.1 | length 134.1
  Top Layer w0.5: v3(36.2,48.7) 38.2,50.7 v3(74.5,50.7) ; v3(74.5,70.8) 79.5,70.8 ; P4.1 79.5,70.8 ; P4.3 80.5,70.7 80.1,71.1 79.8,71.1 79.5,70.8
  Top Layer w2.5: R18.1 10.4,24.775 10.4,18.8 11.7,17.5 30.715,17.5 P1.1
  Bottom Layer w0.5: v3(36.2,48.7) 39,45.9 39,35.3 37.7,34 37.7,18.135 P1.4 ; v3(74.5,50.7) v3(74.5,70.8)
VEX_IN: P1.33 P1.34 R17.2 | length 32.2
  Top Layer w1.5: v5(14.2,21.1) 15.9,21.1 v5(16,21)
  Top Layer w2.5: R17.2 13.825,21.475 v5(14.2,21.1) ; v5(14.2,14) 26.3,14 28.3,12 33.305,12 P1.34
  Bottom Layer w2.5: v5@14,14 v5(14.2,14) v5(14.2,21.1)
  other v5: 16,14
VOLTAGE_MODULE_RX: P4.17 R5.2 | length 39.5
  Top Layer w0.254: R5.2 78.9,81.1 87.5,72.5 P4.17
VOLTAGE_MODULE_TX: P4.15 R6.2 R19.1 | length 56.1
  Top Layer w0.254: R19.1 44.2,82 47.9,78.3 53.436,78.3 R6.2 78.9,79.7 86.5,72.1 P4.15
pads on no net: P1.0 P1.29 P1.38 P2.0 P2.7 P2.9 P2.51 P2.53 P2.55 P3.0 P3.5 P3.6 P3.13 P3.14 P3.15 P3.16 P3.17 P3.18 P4.0 P4.7 P4.8 P4.9 P4.10 P4.18 P4.20 P5.0 P6.0 P7.0 P8.0 P8.2 U1.0 U1.1 U1.2 U1.7 U1.8 U1.9 U1.16 U1.17 U1.18 U1.19 U1.20 U1.21 U1.22 U1.23 U1.24

## Polygon pours and split planes (outlines as drawn)
DGND on Bottom Layer "Mechanical 2-No Net" (solid, remove dead copper, pour order 3): 0,0 100,0 100,105 0,105
DGND on Top Layer "Mechanical 2-No Net" (solid, remove dead copper, pour order 4): 0,0 100,0 100,105 0,105

## Keep-outs
Keep-Out Layer:
  lines w0.254: 77.5,0 100,0 100,105 0,105 0,0 22.5,0 22.5,6.425 77.5,6.425 77.5,0.025

## Other copper
Top Layer:
  rectangle net VBAT_IN: 28.4,16.2 38.9,18.8
  rectangle net V_SUB_BF_SW: 40.1,16.265 49.9,19.5
  rectangle net V_PC_AF_SW_GEN: 8.9,32.9 10,35.4
  rectangle net V_PC_AF_SW_GEN: 9,41.9 10,45.4
  rectangle net DGND: 9,45.8 10,49.5
  rectangle net V_PC_AF_SW: 8.9,29.9 10.2,32.5
  rectangle net V_PC_BF_SW: 38.6,21.1 40.6,26.8
  rectangle net NetD1_2: 29.7,29.2 32.9,41.1
Bottom Layer:
  region net V_PC_BF_SW: 40.4,21.2 40.4,25.4 38.7,25.4 38.7,21.2
  rectangle net VEX_IN: 13.5,13.3 16.4,22
  rectangle net V_PC_AF_SW_GEN: 8.9,32.8 10.1,35.4
  rectangle net V_PC_AF_SW_GEN: 8.9,41.8 10.4,45.5
  rectangle net DGND: 8.9,45.9 10.4,49.6

## Silkscreen, mask and mechanical layers (free items; w line width, h text height)
Mechanical 2:
  lines w0.254: 17.625,3.5 29.725,3.5